# Allegro board meta_module_lay_rev1.brd (continued)
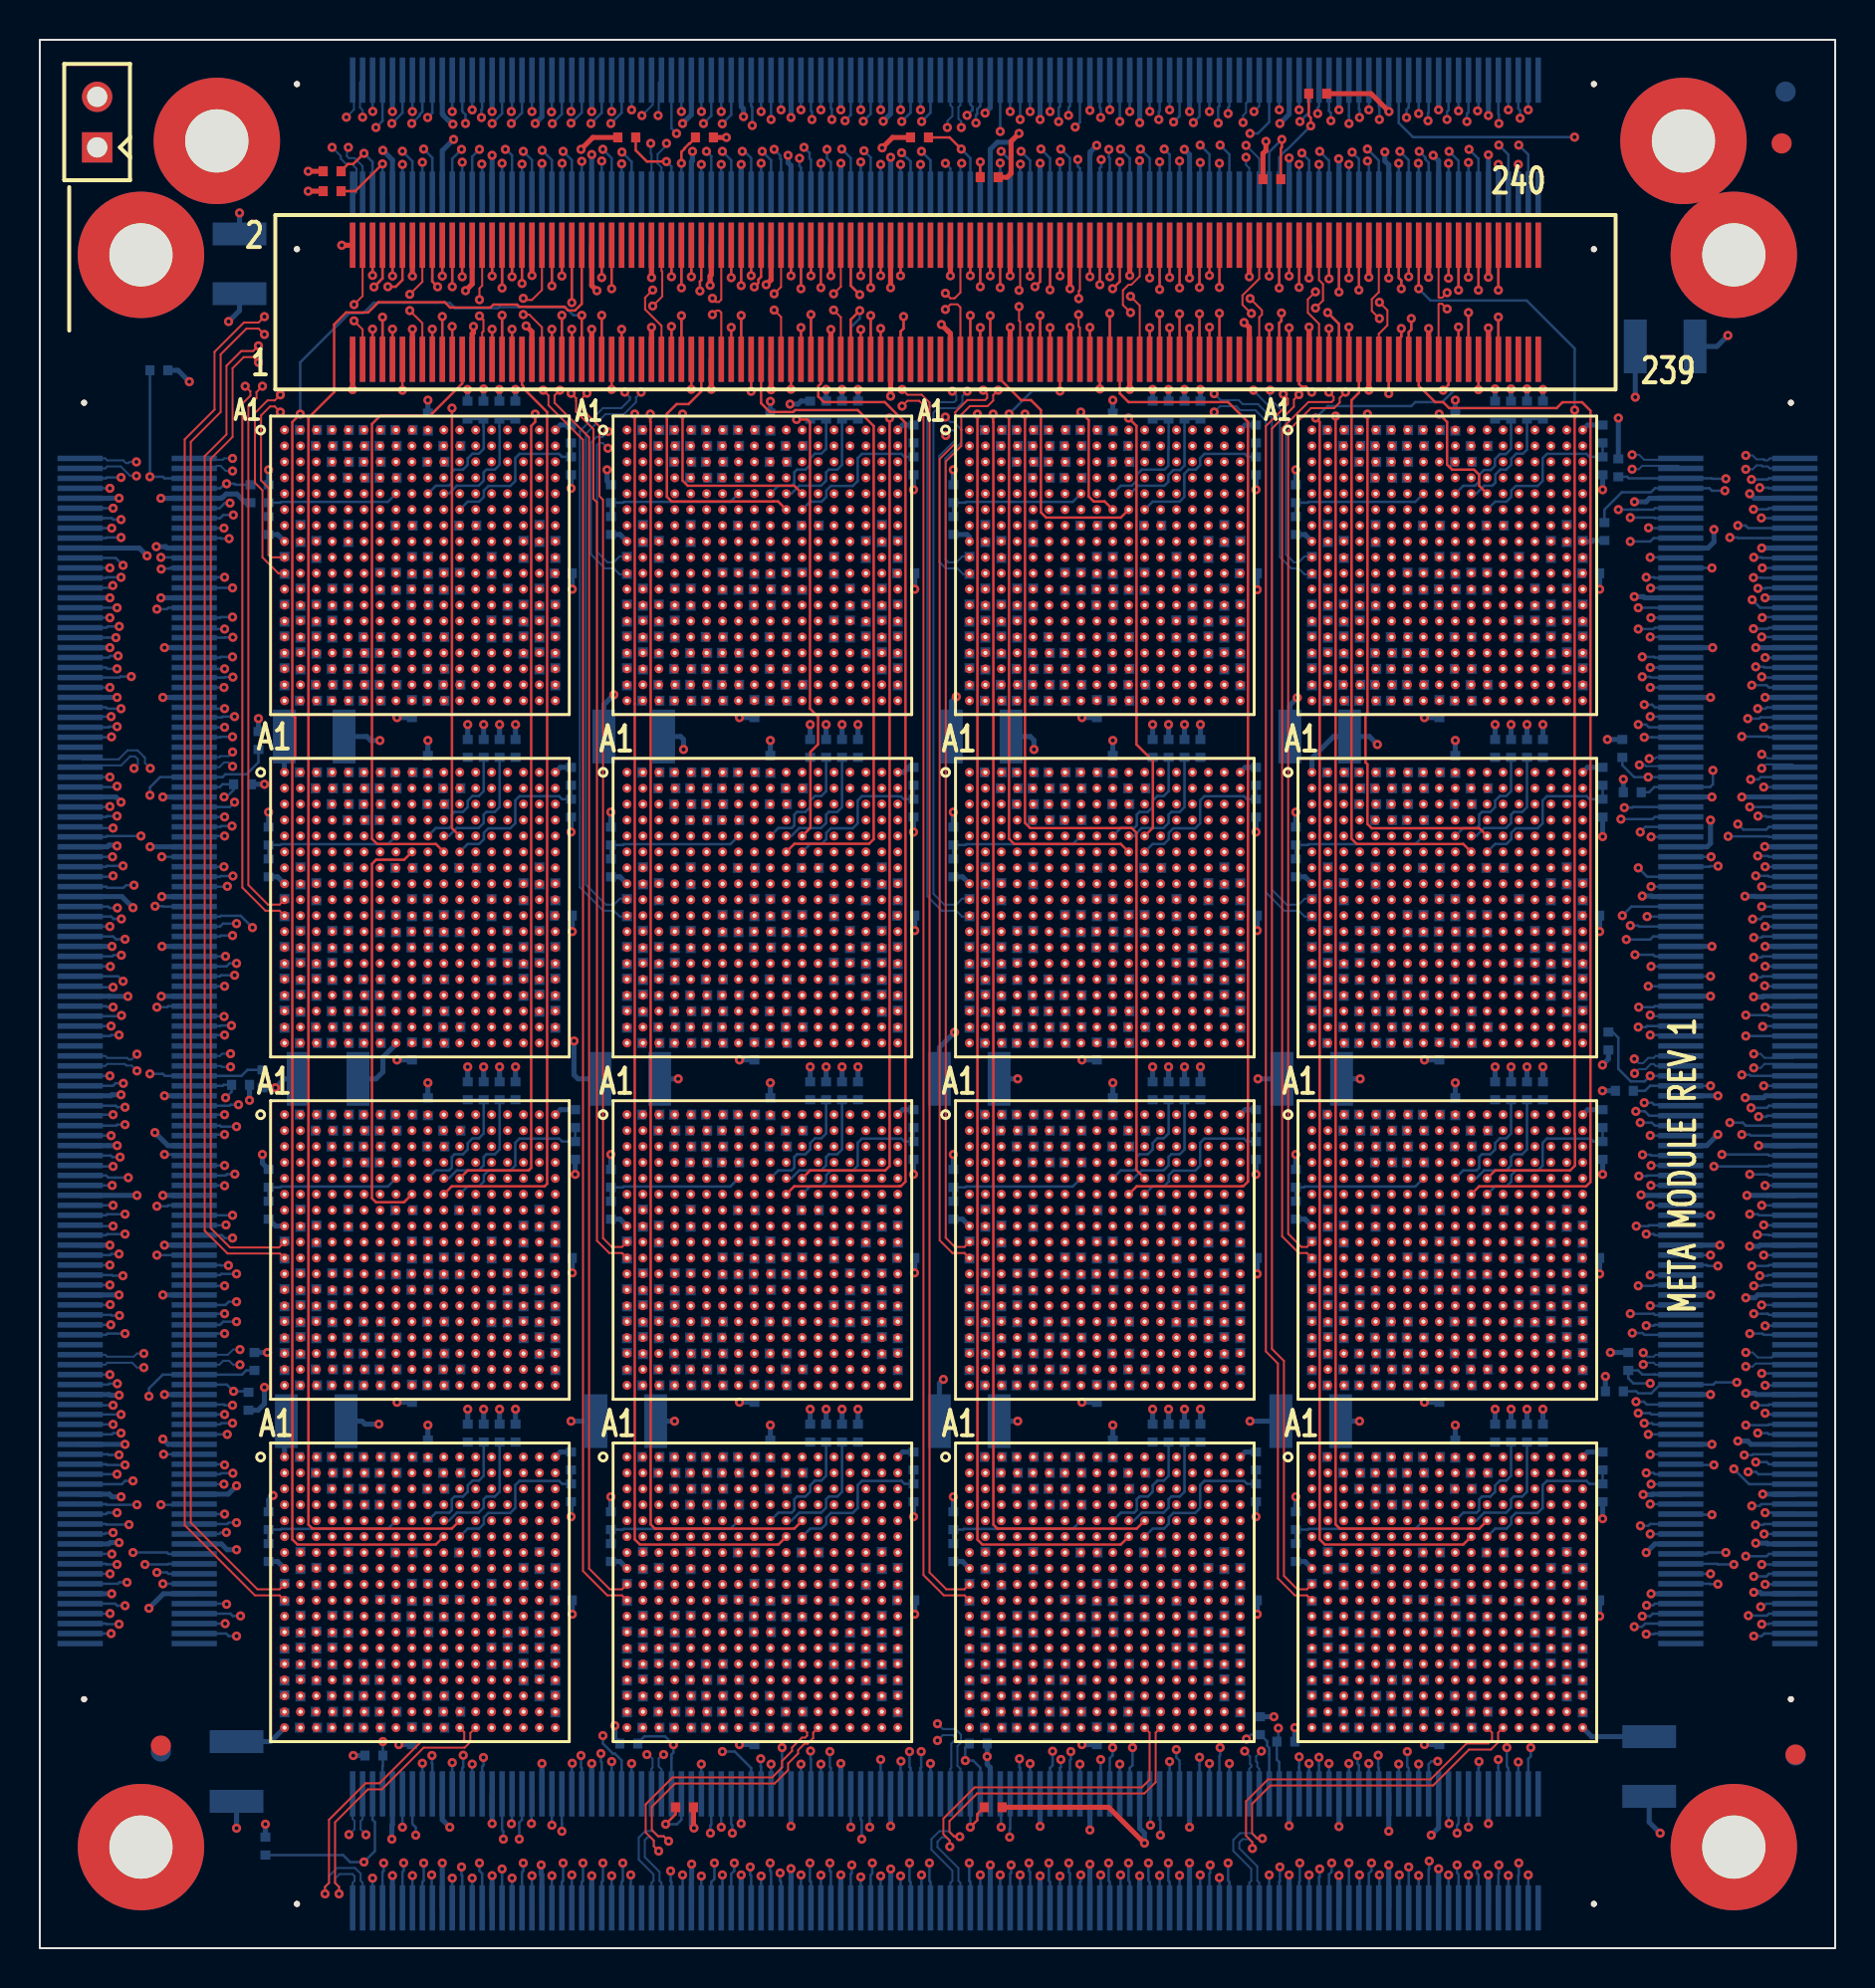
[diagram p0: board, top side]
## Nets (continued)
NS_DATA_N4_SNOW4-1: R159.2 U3.V5(SO_DATA_IN_N4) U4.D13(NO_DATA_OUT_N4)
NS_DATA_N4_SNOW4-2: R387.2 U7.V5(SO_DATA_IN_N4) U8.D13(NO_DATA_OUT_N4)
NS_DATA_N4_SNOW4-3: R615.2 U11.V5(SO_DATA_IN_N4) U12.D13(NO_DATA_OUT_N4)
NS_DATA_N4_SNOW4-4: R843.2 U15.V5(SO_DATA_IN_N4) U16.D13(NO_DATA_OUT_N4)
NS_DATA_N5: R218.2 U4.U6(SO_DATA_IN_N5) U11.C14(NO_DATA_OUT_N5)
NS_DATA_N5_SNOW4-1: R161.2 U3.U6(SO_DATA_IN_N5) U4.C14(NO_DATA_OUT_N5)
NS_DATA_N5_SNOW4-2: R389.2 U7.U6(SO_DATA_IN_N5) U8.C14(NO_DATA_OUT_N5)
NS_DATA_N5_SNOW4-3: R617.2 U11.U6(SO_DATA_IN_N5) U12.C14(NO_DATA_OUT_N5)
NS_DATA_N5_SNOW4-4: R845.2 U15.U6(SO_DATA_IN_N5) U16.C14(NO_DATA_OUT_N5)
NS_DATA_N6: R211.2 U4.T7(SO_DATA_IN_N6) U11.B15(NO_DATA_OUT_N6)
NS_DATA_N6_SNOW4-1: R154.2 U3.T7(SO_DATA_IN_N6) U4.B15(NO_DATA_OUT_N6)
NS_DATA_N6_SNOW4-2: R382.2 U7.T7(SO_DATA_IN_N6) U8.B15(NO_DATA_OUT_N6)
NS_DATA_N6_SNOW4-3: R610.2 U11.T7(SO_DATA_IN_N6) U12.B15(NO_DATA_OUT_N6)
NS_DATA_N6_SNOW4-4: R838.2 U15.T7(SO_DATA_IN_N6) U16.B15(NO_DATA_OUT_N6)
NS_DATA_N7: R213.2 U4.R8(SO_DATA_IN_N7) U11.A16(NO_DATA_OUT_N7)
NS_DATA_N7_SNOW4-1: R156.2 U3.R8(SO_DATA_IN_N7) U4.A16(NO_DATA_OUT_N7)
NS_DATA_N7_SNOW4-2: R384.2 U7.R8(SO_DATA_IN_N7) U8.A16(NO_DATA_OUT_N7)
NS_DATA_N7_SNOW4-3: R612.2 U11.R8(SO_DATA_IN_N7) U12.A16(NO_DATA_OUT_N7)
NS_DATA_N7_SNOW4-4: R840.2 U15.R8(SO_DATA_IN_N7) U16.A16(NO_DATA_OUT_N7)
NS_DATA_N8: R96.2 U2.V3(SO_DATA_IN_N0) U9.D11(NO_DATA_OUT_N0)
NS_DATA_N8_SNOW4-1: R46.2 U1.V3(SO_DATA_IN_N0) U2.D11(NO_DATA_OUT_N0)
NS_DATA_N8_SNOW4-2: R267.2 U5.V3(SO_DATA_IN_N0) U6.D11(NO_DATA_OUT_N0)
NS_DATA_N8_SNOW4-3: R495.2 U9.V3(SO_DATA_IN_N0) U10.D11(NO_DATA_OUT_N0)
NS_DATA_N8_SNOW4-4: R723.2 U13.V3(SO_DATA_IN_N0) U14.D11(NO_DATA_OUT_N0)
NS_DATA_N9: R98.2 U2.U4(SO_DATA_IN_N1) U9.C12(NO_DATA_OUT_N1)
NS_DATA_N9_SNOW4-1: R38.2 U1.U4(SO_DATA_IN_N1) U2.C12(NO_DATA_OUT_N1)
NS_DATA_N9_SNOW4-2: R269.2 U5.U4(SO_DATA_IN_N1) U6.C12(NO_DATA_OUT_N1)
NS_DATA_N9_SNOW4-3: R497.2 U9.U4(SO_DATA_IN_N1) U10.C12(NO_DATA_OUT_N1)
NS_DATA_N9_SNOW4-4: R725.2 U13.U4(SO_DATA_IN_N1) U14.C12(NO_DATA_OUT_N1)
NS_DATA_N10: R94.2 U2.T5(SO_DATA_IN_N2) U9.B13(NO_DATA_OUT_N2)
NS_DATA_N10_SNOW4-1: R40.2 U1.T5(SO_DATA_IN_N2) U2.B13(NO_DATA_OUT_N2)
NS_DATA_N10_SNOW4-2: R265.2 U5.T5(SO_DATA_IN_N2) U6.B13(NO_DATA_OUT_N2)
NS_DATA_N10_SNOW4-3: R493.2 U9.T5(SO_DATA_IN_N2) U10.B13(NO_DATA_OUT_N2)
NS_DATA_N10_SNOW4-4: R721.2 U13.T5(SO_DATA_IN_N2) U14.B13(NO_DATA_OUT_N2)
NS_DATA_N11: R100.2 U2.R6(SO_DATA_IN_N3) U9.A14(NO_DATA_OUT_N3)
NS_DATA_N11_SNOW4-1: R42.2 U1.R6(SO_DATA_IN_N3) U2.A14(NO_DATA_OUT_N3)
NS_DATA_N11_SNOW4-2: R271.2 U5.R6(SO_DATA_IN_N3) U6.A14(NO_DATA_OUT_N3)
NS_DATA_N11_SNOW4-3: R499.2 U9.R6(SO_DATA_IN_N3) U10.A14(NO_DATA_OUT_N3)
NS_DATA_N11_SNOW4-4: R727.2 U13.R6(SO_DATA_IN_N3) U14.A14(NO_DATA_OUT_N3)
NS_DATA_N12: R102.2 U2.V5(SO_DATA_IN_N4) U9.D13(NO_DATA_OUT_N4)
NS_DATA_N12_SNOW4-1: R44.2 U1.V5(SO_DATA_IN_N4) U2.D13(NO_DATA_OUT_N4)
NS_DATA_N12_SNOW4-2: R273.2 U5.V5(SO_DATA_IN_N4) U6.D13(NO_DATA_OUT_N4)
NS_DATA_N12_SNOW4-3: R501.2 U9.V5(SO_DATA_IN_N4) U10.D13(NO_DATA_OUT_N4)
NS_DATA_N12_SNOW4-4: R729.2 U13.V5(SO_DATA_IN_N4) U14.D13(NO_DATA_OUT_N4)
NS_DATA_N13: R104.2 U2.U6(SO_DATA_IN_N5) U9.C14(NO_DATA_OUT_N5)
NS_DATA_N13_SNOW4-1: R47.2 U1.U6(SO_DATA_IN_N5) U2.C14(NO_DATA_OUT_N5)
NS_DATA_N13_SNOW4-2: R275.2 U5.U6(SO_DATA_IN_N5) U6.C14(NO_DATA_OUT_N5)
NS_DATA_N13_SNOW4-3: R503.2 U9.U6(SO_DATA_IN_N5) U10.C14(NO_DATA_OUT_N5)
NS_DATA_N13_SNOW4-4: R731.2 U13.U6(SO_DATA_IN_N5) U14.C14(NO_DATA_OUT_N5)
NS_DATA_N14: R97.2 U2.T7(SO_DATA_IN_N6) U9.B15(NO_DATA_OUT_N6)
NS_DATA_N14_SNOW4-1: R37.2 U1.T7(SO_DATA_IN_N6) U2.B15(NO_DATA_OUT_N6)
NS_DATA_N14_SNOW4-2: R268.2 U5.T7(SO_DATA_IN_N6) U6.B15(NO_DATA_OUT_N6)
NS_DATA_N14_SNOW4-3: R496.2 U9.T7(SO_DATA_IN_N6) U10.B15(NO_DATA_OUT_N6)
NS_DATA_N14_SNOW4-4: R724.2 U13.T7(SO_DATA_IN_N6) U14.B15(NO_DATA_OUT_N6)
NS_DATA_N15: R99.2 U2.R8(SO_DATA_IN_N7) U9.A16(NO_DATA_OUT_N7)
NS_DATA_N15_SNOW4-1: R39.2 U1.R8(SO_DATA_IN_N7) U2.A16(NO_DATA_OUT_N7)
NS_DATA_N15_SNOW4-2: R270.2 U5.R8(SO_DATA_IN_N7) U6.A16(NO_DATA_OUT_N7)
NS_DATA_N15_SNOW4-3: R498.2 U9.R8(SO_DATA_IN_N7) U10.A16(NO_DATA_OUT_N7)
NS_DATA_N15_SNOW4-4: R726.2 U13.R8(SO_DATA_IN_N7) U14.A16(NO_DATA_OUT_N7)
NS_DATA_N16: R438.2 U8.V3(SO_DATA_IN_N0) U15.D11(NO_DATA_OUT_N0)
NS_DATA_N17: R440.2 U8.U4(SO_DATA_IN_N1) U15.C12(NO_DATA_OUT_N1)
NS_DATA_N18: R436.2 U8.T5(SO_DATA_IN_N2) U15.B13(NO_DATA_OUT_N2)
NS_DATA_N19: R442.2 U8.R6(SO_DATA_IN_N3) U15.A14(NO_DATA_OUT_N3)
NS_DATA_N20: R444.2 U8.V5(SO_DATA_IN_N4) U15.D13(NO_DATA_OUT_N4)
NS_DATA_N21: R446.2 U8.U6(SO_DATA_IN_N5) U15.C14(NO_DATA_OUT_N5)
NS_DATA_N22: R439.2 U8.T7(SO_DATA_IN_N6) U15.B15(NO_DATA_OUT_N6)
NS_DATA_N23: R441.2 U8.R8(SO_DATA_IN_N7) U15.A16(NO_DATA_OUT_N7)
NS_DATA_N24: R324.2 U6.V3(SO_DATA_IN_N0) U13.D11(NO_DATA_OUT_N0)
NS_DATA_N25: R326.2 U6.U4(SO_DATA_IN_N1) U13.C12(NO_DATA_OUT_N1)
NS_DATA_N26: R322.2 U6.T5(SO_DATA_IN_N2) U13.B13(NO_DATA_OUT_N2)
NS_DATA_N27: R328.2 U6.R6(SO_DATA_IN_N3) U13.A14(NO_DATA_OUT_N3)
NS_DATA_N28: R330.2 U6.V5(SO_DATA_IN_N4) U13.D13(NO_DATA_OUT_N4)
NS_DATA_N29: R332.2 U6.U6(SO_DATA_IN_N5) U13.C14(NO_DATA_OUT_N5)
NS_DATA_N30: R325.2 U6.T7(SO_DATA_IN_N6) U13.B15(NO_DATA_OUT_N6)
NS_DATA_N31: R327.2 U6.R8(SO_DATA_IN_N7) U13.A16(NO_DATA_OUT_N7)
NS_DATA_P0: R210.1 U4.V2(SO_DATA_IN_P0) U11.D12(NO_DATA_OUT_P0)
NS_DATA_P0_SNOW4-1: R153.1 U3.V2(SO_DATA_IN_P0) U4.D12(NO_DATA_OUT_P0)
NS_DATA_P0_SNOW4-2: R381.1 U7.V2(SO_DATA_IN_P0) U8.D12(NO_DATA_OUT_P0)
NS_DATA_P0_SNOW4-3: R609.1 U11.V2(SO_DATA_IN_P0) U12.D12(NO_DATA_OUT_P0)
NS_DATA_P0_SNOW4-4: R837.1 U15.V2(SO_DATA_IN_P0) U16.D12(NO_DATA_OUT_P0)
NS_DATA_P1: R212.1 U4.U3(SO_DATA_IN_P1) U11.C13(NO_DATA_OUT_P1)
NS_DATA_P1_SNOW4-1: R155.1 U3.U3(SO_DATA_IN_P1) U4.C13(NO_DATA_OUT_P1)
NS_DATA_P1_SNOW4-2: R383.1 U7.U3(SO_DATA_IN_P1) U8.C13(NO_DATA_OUT_P1)
NS_DATA_P1_SNOW4-3: R611.1 U11.U3(SO_DATA_IN_P1) U12.C13(NO_DATA_OUT_P1)
NS_DATA_P1_SNOW4-4: R839.1 U15.U3(SO_DATA_IN_P1) U16.C13(NO_DATA_OUT_P1)
NS_DATA_P2: R208.1 U4.T4(SO_DATA_IN_P2) U11.B14(NO_DATA_OUT_P2)
NS_DATA_P2_SNOW4-1: R151.1 U3.T4(SO_DATA_IN_P2) U4.B14(NO_DATA_OUT_P2)
NS_DATA_P2_SNOW4-2: R379.1 U7.T4(SO_DATA_IN_P2) U8.B14(NO_DATA_OUT_P2)
NS_DATA_P2_SNOW4-3: R607.1 U11.T4(SO_DATA_IN_P2) U12.B14(NO_DATA_OUT_P2)
NS_DATA_P2_SNOW4-4: R835.1 U15.T4(SO_DATA_IN_P2) U16.B14(NO_DATA_OUT_P2)
NS_DATA_P3: R214.1 U4.R5(SO_DATA_IN_P3) U11.A15(NO_DATA_OUT_P3)
NS_DATA_P3_SNOW4-1: R157.1 U3.R5(SO_DATA_IN_P3) U4.A15(NO_DATA_OUT_P3)
NS_DATA_P3_SNOW4-2: R385.1 U7.R5(SO_DATA_IN_P3) U8.A15(NO_DATA_OUT_P3)
NS_DATA_P3_SNOW4-3: R613.1 U11.R5(SO_DATA_IN_P3) U12.A15(NO_DATA_OUT_P3)
NS_DATA_P3_SNOW4-4: R841.1 U15.R5(SO_DATA_IN_P3) U16.A15(NO_DATA_OUT_P3)
NS_DATA_P4: R216.1 U4.V4(SO_DATA_IN_P4) U11.D14(NO_DATA_OUT_P4)
NS_DATA_P4_SNOW4-1: R159.1 U3.V4(SO_DATA_IN_P4) U4.D14(NO_DATA_OUT_P4)
NS_DATA_P4_SNOW4-2: R387.1 U7.V4(SO_DATA_IN_P4) U8.D14(NO_DATA_OUT_P4)
NS_DATA_P4_SNOW4-3: R615.1 U11.V4(SO_DATA_IN_P4) U12.D14(NO_DATA_OUT_P4)
NS_DATA_P4_SNOW4-4: R843.1 U15.V4(SO_DATA_IN_P4) U16.D14(NO_DATA_OUT_P4)
NS_DATA_P5: R218.1 U4.U5(SO_DATA_IN_P5) U11.C15(NO_DATA_OUT_P5)
NS_DATA_P5_SNOW4-1: R161.1 U3.U5(SO_DATA_IN_P5) U4.C15(NO_DATA_OUT_P5)
NS_DATA_P5_SNOW4-2: R389.1 U7.U5(SO_DATA_IN_P5) U8.C15(NO_DATA_OUT_P5)
NS_DATA_P5_SNOW4-3: R617.1 U11.U5(SO_DATA_IN_P5) U12.C15(NO_DATA_OUT_P5)
NS_DATA_P5_SNOW4-4: R845.1 U15.U5(SO_DATA_IN_P5) U16.C15(NO_DATA_OUT_P5)
NS_DATA_P6: R211.1 U4.T6(SO_DATA_IN_P6) U11.B16(NO_DATA_OUT_P6)
NS_DATA_P6_SNOW4-1: R154.1 U3.T6(SO_DATA_IN_P6) U4.B16(NO_DATA_OUT_P6)
NS_DATA_P6_SNOW4-2: R382.1 U7.T6(SO_DATA_IN_P6) U8.B16(NO_DATA_OUT_P6)
NS_DATA_P6_SNOW4-3: R610.1 U11.T6(SO_DATA_IN_P6) U12.B16(NO_DATA_OUT_P6)
NS_DATA_P6_SNOW4-4: R838.1 U15.T6(SO_DATA_IN_P6) U16.B16(NO_DATA_OUT_P6)
NS_DATA_P7: R213.1 U4.R7(SO_DATA_IN_P7) U11.A17(NO_DATA_OUT_P7)
NS_DATA_P7_SNOW4-1: R156.1 U3.R7(SO_DATA_IN_P7) U4.A17(NO_DATA_OUT_P7)
NS_DATA_P7_SNOW4-2: R384.1 U7.R7(SO_DATA_IN_P7) U8.A17(NO_DATA_OUT_P7)
NS_DATA_P7_SNOW4-3: R612.1 U11.R7(SO_DATA_IN_P7) U12.A17(NO_DATA_OUT_P7)
NS_DATA_P7_SNOW4-4: R840.1 U15.R7(SO_DATA_IN_P7) U16.A17(NO_DATA_OUT_P7)
NS_DATA_P8: R96.1 U2.V2(SO_DATA_IN_P0) U9.D12(NO_DATA_OUT_P0)
NS_DATA_P8_SNOW4-1: R46.1 U1.V2(SO_DATA_IN_P0) U2.D12(NO_DATA_OUT_P0)
NS_DATA_P8_SNOW4-2: R267.1 U5.V2(SO_DATA_IN_P0) U6.D12(NO_DATA_OUT_P0)
NS_DATA_P8_SNOW4-3: R495.1 U9.V2(SO_DATA_IN_P0) U10.D12(NO_DATA_OUT_P0)
NS_DATA_P8_SNOW4-4: R723.1 U13.V2(SO_DATA_IN_P0) U14.D12(NO_DATA_OUT_P0)
NS_DATA_P9: R98.1 U2.U3(SO_DATA_IN_P1) U9.C13(NO_DATA_OUT_P1)
NS_DATA_P9_SNOW4-1: R38.1 U1.U3(SO_DATA_IN_P1) U2.C13(NO_DATA_OUT_P1)
NS_DATA_P9_SNOW4-2: R269.1 U5.U3(SO_DATA_IN_P1) U6.C13(NO_DATA_OUT_P1)
NS_DATA_P9_SNOW4-3: R497.1 U9.U3(SO_DATA_IN_P1) U10.C13(NO_DATA_OUT_P1)
NS_DATA_P9_SNOW4-4: R725.1 U13.U3(SO_DATA_IN_P1) U14.C13(NO_DATA_OUT_P1)
NS_DATA_P10: R94.1 U2.T4(SO_DATA_IN_P2) U9.B14(NO_DATA_OUT_P2)
NS_DATA_P10_SNOW4-1: R40.1 U1.T4(SO_DATA_IN_P2) U2.B14(NO_DATA_OUT_P2)
NS_DATA_P10_SNOW4-2: R265.1 U5.T4(SO_DATA_IN_P2) U6.B14(NO_DATA_OUT_P2)
NS_DATA_P10_SNOW4-3: R493.1 U9.T4(SO_DATA_IN_P2) U10.B14(NO_DATA_OUT_P2)
NS_DATA_P10_SNOW4-4: R721.1 U13.T4(SO_DATA_IN_P2) U14.B14(NO_DATA_OUT_P2)
NS_DATA_P11: R100.1 U2.R5(SO_DATA_IN_P3) U9.A15(NO_DATA_OUT_P3)
NS_DATA_P11_SNOW4-1: R42.1 U1.R5(SO_DATA_IN_P3) U2.A15(NO_DATA_OUT_P3)
NS_DATA_P11_SNOW4-2: R271.1 U5.R5(SO_DATA_IN_P3) U6.A15(NO_DATA_OUT_P3)
NS_DATA_P11_SNOW4-3: R499.1 U9.R5(SO_DATA_IN_P3) U10.A15(NO_DATA_OUT_P3)
NS_DATA_P11_SNOW4-4: R727.1 U13.R5(SO_DATA_IN_P3) U14.A15(NO_DATA_OUT_P3)
NS_DATA_P12: R102.1 U2.V4(SO_DATA_IN_P4) U9.D14(NO_DATA_OUT_P4)
NS_DATA_P12_SNOW4-1: R44.1 U1.V4(SO_DATA_IN_P4) U2.D14(NO_DATA_OUT_P4)
NS_DATA_P12_SNOW4-2: R273.1 U5.V4(SO_DATA_IN_P4) U6.D14(NO_DATA_OUT_P4)
NS_DATA_P12_SNOW4-3: R501.1 U9.V4(SO_DATA_IN_P4) U10.D14(NO_DATA_OUT_P4)
NS_DATA_P12_SNOW4-4: R729.1 U13.V4(SO_DATA_IN_P4) U14.D14(NO_DATA_OUT_P4)
NS_DATA_P13: R104.1 U2.U5(SO_DATA_IN_P5) U9.C15(NO_DATA_OUT_P5)
NS_DATA_P13_SNOW4-1: R47.1 U1.U5(SO_DATA_IN_P5) U2.C15(NO_DATA_OUT_P5)
NS_DATA_P13_SNOW4-2: R275.1 U5.U5(SO_DATA_IN_P5) U6.C15(NO_DATA_OUT_P5)
NS_DATA_P13_SNOW4-3: R503.1 U9.U5(SO_DATA_IN_P5) U10.C15(NO_DATA_OUT_P5)
NS_DATA_P13_SNOW4-4: R731.1 U13.U5(SO_DATA_IN_P5) U14.C15(NO_DATA_OUT_P5)
NS_DATA_P14: R97.1 U2.T6(SO_DATA_IN_P6) U9.B16(NO_DATA_OUT_P6)
NS_DATA_P14_SNOW4-1: R37.1 U1.T6(SO_DATA_IN_P6) U2.B16(NO_DATA_OUT_P6)
NS_DATA_P14_SNOW4-2: R268.1 U5.T6(SO_DATA_IN_P6) U6.B16(NO_DATA_OUT_P6)
NS_DATA_P14_SNOW4-3: R496.1 U9.T6(SO_DATA_IN_P6) U10.B16(NO_DATA_OUT_P6)
NS_DATA_P14_SNOW4-4: R724.1 U13.T6(SO_DATA_IN_P6) U14.B16(NO_DATA_OUT_P6)
NS_DATA_P15: R99.1 U2.R7(SO_DATA_IN_P7) U9.A17(NO_DATA_OUT_P7)
NS_DATA_P15_SNOW4-1: R39.1 U1.R7(SO_DATA_IN_P7) U2.A17(NO_DATA_OUT_P7)
NS_DATA_P15_SNOW4-2: R270.1 U5.R7(SO_DATA_IN_P7) U6.A17(NO_DATA_OUT_P7)
NS_DATA_P15_SNOW4-3: R498.1 U9.R7(SO_DATA_IN_P7) U10.A17(NO_DATA_OUT_P7)
NS_DATA_P15_SNOW4-4: R726.1 U13.R7(SO_DATA_IN_P7) U14.A17(NO_DATA_OUT_P7)
NS_DATA_P16: R438.1 U8.V2(SO_DATA_IN_P0) U15.D12(NO_DATA_OUT_P0)
NS_DATA_P17: R440.1 U8.U3(SO_DATA_IN_P1) U15.C13(NO_DATA_OUT_P1)
NS_DATA_P18: R436.1 U8.T4(SO_DATA_IN_P2) U15.B14(NO_DATA_OUT_P2)
NS_DATA_P19: R442.1 U8.R5(SO_DATA_IN_P3) U15.A15(NO_DATA_OUT_P3)
NS_DATA_P20: R444.1 U8.V4(SO_DATA_IN_P4) U15.D14(NO_DATA_OUT_P4)
NS_DATA_P21: R446.1 U8.U5(SO_DATA_IN_P5) U15.C15(NO_DATA_OUT_P5)
NS_DATA_P22: R439.1 U8.T6(SO_DATA_IN_P6) U15.B16(NO_DATA_OUT_P6)
NS_DATA_P23: R441.1 U8.R7(SO_DATA_IN_P7) U15.A17(NO_DATA_OUT_P7)
NS_DATA_P24: R324.1 U6.V2(SO_DATA_IN_P0) U13.D12(NO_DATA_OUT_P0)
NS_DATA_P25: R326.1 U6.U3(SO_DATA_IN_P1) U13.C13(NO_DATA_OUT_P1)
NS_DATA_P26: R322.1 U6.T4(SO_DATA_IN_P2) U13.B14(NO_DATA_OUT_P2)
NS_DATA_P27: R328.1 U6.R5(SO_DATA_IN_P3) U13.A15(NO_DATA_OUT_P3)
NS_DATA_P28: R330.1 U6.V4(SO_DATA_IN_P4) U13.D14(NO_DATA_OUT_P4)
NS_DATA_P29: R332.1 U6.U5(SO_DATA_IN_P5) U13.C15(NO_DATA_OUT_P5)
NS_DATA_P30: R325.1 U6.T6(SO_DATA_IN_P6) U13.B16(NO_DATA_OUT_P6)
NS_DATA_P31: R327.1 U6.R7(SO_DATA_IN_P7) U13.A17(NO_DATA_OUT_P7)
NS_FRAME_N0: R215.2 U4.U8(SO_FRAME_IN_N) U11.D9(NO_FRAME_OUT_N)
NS_FRAME_N0_SNOW4-1: R158.2 U3.U8(SO_FRAME_IN_N) U4.D9(NO_FRAME_OUT_N)
NS_FRAME_N0_SNOW4-2: R386.2 U7.U8(SO_FRAME_IN_N) U8.D9(NO_FRAME_OUT_N)
NS_FRAME_N0_SNOW4-3: R614.2 U11.U8(SO_FRAME_IN_N) U12.D9(NO_FRAME_OUT_N)
NS_FRAME_N0_SNOW4-4: R842.2 U15.U8(SO_FRAME_IN_N) U16.D9(NO_FRAME_OUT_N)
NS_FRAME_N1: R101.2 U2.U8(SO_FRAME_IN_N) U9.D9(NO_FRAME_OUT_N)
NS_FRAME_N1_SNOW4-1: R43.2 U1.U8(SO_FRAME_IN_N) U2.D9(NO_FRAME_OUT_N)
NS_FRAME_N1_SNOW4-2: R272.2 U5.U8(SO_FRAME_IN_N) U6.D9(NO_FRAME_OUT_N)
NS_FRAME_N1_SNOW4-3: R500.2 U9.U8(SO_FRAME_IN_N) U10.D9(NO_FRAME_OUT_N)
NS_FRAME_N1_SNOW4-4: R728.2 U13.U8(SO_FRAME_IN_N) U14.D9(NO_FRAME_OUT_N)
NS_FRAME_N2: R443.2 U8.U8(SO_FRAME_IN_N) U15.D9(NO_FRAME_OUT_N)
NS_FRAME_N3: R329.2 U6.U8(SO_FRAME_IN_N) U13.D9(NO_FRAME_OUT_N)
NS_FRAME_P0: R215.1 U4.U7(SO_FRAME_IN_P) U11.D10(NO_FRAME_OUT_P)
NS_FRAME_P0_SNOW4-1: R158.1 U3.U7(SO_FRAME_IN_P) U4.D10(NO_FRAME_OUT_P)
NS_FRAME_P0_SNOW4-2: R386.1 U7.U7(SO_FRAME_IN_P) U8.D10(NO_FRAME_OUT_P)
NS_FRAME_P0_SNOW4-3: R614.1 U11.U7(SO_FRAME_IN_P) U12.D10(NO_FRAME_OUT_P)
NS_FRAME_P0_SNOW4-4: R842.1 U15.U7(SO_FRAME_IN_P) U16.D10(NO_FRAME_OUT_P)
NS_FRAME_P1: R101.1 U2.U7(SO_FRAME_IN_P) U9.D10(NO_FRAME_OUT_P)
NS_FRAME_P1_SNOW4-1: R43.1 U1.U7(SO_FRAME_IN_P) U2.D10(NO_FRAME_OUT_P)
NS_FRAME_P1_SNOW4-2: R272.1 U5.U7(SO_FRAME_IN_P) U6.D10(NO_FRAME_OUT_P)
NS_FRAME_P1_SNOW4-3: R500.1 U9.U7(SO_FRAME_IN_P) U10.D10(NO_FRAME_OUT_P)
NS_FRAME_P1_SNOW4-4: R728.1 U13.U7(SO_FRAME_IN_P) U14.D10(NO_FRAME_OUT_P)
NS_FRAME_P2: R443.1 U8.U7(SO_FRAME_IN_P) U15.D10(NO_FRAME_OUT_P)
NS_FRAME_P3: R329.1 U6.U7(SO_FRAME_IN_P) U13.D10(NO_FRAME_OUT_P)
NS_LCLK_N0: R209.2 U4.V7(SO_LCLK_IN_N) U11.A12(NO_LCLK_OUT_N)
NS_LCLK_N0_SNOW4-1: R152.2 U3.V7(SO_LCLK_IN_N) U4.A12(NO_LCLK_OUT_N)
NS_LCLK_N0_SNOW4-2: R380.2 U7.V7(SO_LCLK_IN_N) U8.A12(NO_LCLK_OUT_N)
NS_LCLK_N0_SNOW4-3: R608.2 U11.V7(SO_LCLK_IN_N) U12.A12(NO_LCLK_OUT_N)
NS_LCLK_N0_SNOW4-4: R836.2 U15.V7(SO_LCLK_IN_N) U16.A12(NO_LCLK_OUT_N)
NS_LCLK_N1: R95.2 U2.V7(SO_LCLK_IN_N) U9.A12(NO_LCLK_OUT_N)
NS_LCLK_N1_SNOW4-1: R41.2 U1.V7(SO_LCLK_IN_N) U2.A12(NO_LCLK_OUT_N)
NS_LCLK_N1_SNOW4-2: R266.2 U5.V7(SO_LCLK_IN_N) U6.A12(NO_LCLK_OUT_N)
NS_LCLK_N1_SNOW4-3: R494.2 U9.V7(SO_LCLK_IN_N) U10.A12(NO_LCLK_OUT_N)
NS_LCLK_N1_SNOW4-4: R722.2 U13.V7(SO_LCLK_IN_N) U14.A12(NO_LCLK_OUT_N)
NS_LCLK_N2: R437.2 U8.V7(SO_LCLK_IN_N) U15.A12(NO_LCLK_OUT_N)
NS_LCLK_N3: R323.2 U6.V7(SO_LCLK_IN_N) U13.A12(NO_LCLK_OUT_N)
NS_LCLK_P0: R209.1 U4.V6(SO_LCLK_IN_P) U11.A13(NO_LCLK_OUT_P)
NS_LCLK_P0_SNOW4-1: R152.1 U3.V6(SO_LCLK_IN_P) U4.A13(NO_LCLK_OUT_P)
NS_LCLK_P0_SNOW4-2: R380.1 U7.V6(SO_LCLK_IN_P) U8.A13(NO_LCLK_OUT_P)
NS_LCLK_P0_SNOW4-3: R608.1 U11.V6(SO_LCLK_IN_P) U12.A13(NO_LCLK_OUT_P)
NS_LCLK_P0_SNOW4-4: R836.1 U15.V6(SO_LCLK_IN_P) U16.A13(NO_LCLK_OUT_P)
NS_LCLK_P1: R95.1 U2.V6(SO_LCLK_IN_P) U9.A13(NO_LCLK_OUT_P)
NS_LCLK_P1_SNOW4-1: R41.1 U1.V6(SO_LCLK_IN_P) U2.A13(NO_LCLK_OUT_P)
NS_LCLK_P1_SNOW4-2: R266.1 U5.V6(SO_LCLK_IN_P) U6.A13(NO_LCLK_OUT_P)
NS_LCLK_P1_SNOW4-3: R494.1 U9.V6(SO_LCLK_IN_P) U10.A13(NO_LCLK_OUT_P)
NS_LCLK_P1_SNOW4-4: R722.1 U13.V6(SO_LCLK_IN_P) U14.A13(NO_LCLK_OUT_P)
NS_LCLK_P2: R437.1 U8.V6(SO_LCLK_IN_P) U15.A13(NO_LCLK_OUT_P)
NS_LCLK_P3: R323.1 U6.V6(SO_LCLK_IN_P) U13.A13(NO_LCLK_OUT_P)
NS_WAIT_RD_N0: R217.2 U4.U12(SO_WAIT_RD_IN_N) U11.B9(NO_WAIT_RD_OUT_N)
NS_WAIT_RD_N0_SNOW4-1: R160.2 U3.U12(SO_WAIT_RD_IN_N) U4.B9(NO_WAIT_RD_OUT_N)
NS_WAIT_RD_N0_SNOW4-2: R388.2 U7.U12(SO_WAIT_RD_IN_N) U8.B9(NO_WAIT_RD_OUT_N)
NS_WAIT_RD_N0_SNOW4-3: R616.2 U11.U12(SO_WAIT_RD_IN_N) U12.B9(NO_WAIT_RD_OUT_N)
NS_WAIT_RD_N0_SNOW4-4: R844.2 U15.U12(SO_WAIT_RD_IN_N) U16.B9(NO_WAIT_RD_OUT_N)
NS_WAIT_RD_N1: R103.2 U2.U12(SO_WAIT_RD_IN_N) U9.B9(NO_WAIT_RD_OUT_N)
NS_WAIT_RD_N1_SNOW4-1: R45.2 U1.U12(SO_WAIT_RD_IN_N) U2.B9(NO_WAIT_RD_OUT_N)
NS_WAIT_RD_N1_SNOW4-2: R274.2 U5.U12(SO_WAIT_RD_IN_N) U6.B9(NO_WAIT_RD_OUT_N)
NS_WAIT_RD_N1_SNOW4-3: R502.2 U9.U12(SO_WAIT_RD_IN_N) U10.B9(NO_WAIT_RD_OUT_N)
NS_WAIT_RD_N1_SNOW4-4: R730.2 U13.U12(SO_WAIT_RD_IN_N) U14.B9(NO_WAIT_RD_OUT_N)
NS_WAIT_RD_N2: R445.2 U8.U12(SO_WAIT_RD_IN_N) U15.B9(NO_WAIT_RD_OUT_N)
NS_WAIT_RD_N3: R331.2 U6.U12(SO_WAIT_RD_IN_N) U13.B9(NO_WAIT_RD_OUT_N)
NS_WAIT_RD_P0: R217.1 U4.U11(SO_WAIT_RD_IN_P) U11.B10(NO_WAIT_RD_OUT_P)
NS_WAIT_RD_P0_SNOW4-1: R160.1 U3.U11(SO_WAIT_RD_IN_P) U4.B10(NO_WAIT_RD_OUT_P)
NS_WAIT_RD_P0_SNOW4-2: R388.1 U7.U11(SO_WAIT_RD_IN_P) U8.B10(NO_WAIT_RD_OUT_P)
NS_WAIT_RD_P0_SNOW4-3: R616.1 U11.U11(SO_WAIT_RD_IN_P) U12.B10(NO_WAIT_RD_OUT_P)
NS_WAIT_RD_P0_SNOW4-4: R844.1 U15.U11(SO_WAIT_RD_IN_P) U16.B10(NO_WAIT_RD_OUT_P)
NS_WAIT_RD_P1: R103.1 U2.U11(SO_WAIT_RD_IN_P) U9.B10(NO_WAIT_RD_OUT_P)
NS_WAIT_RD_P1_SNOW4-1: R45.1 U1.U11(SO_WAIT_RD_IN_P) U2.B10(NO_WAIT_RD_OUT_P)
NS_WAIT_RD_P1_SNOW4-2: R274.1 U5.U11(SO_WAIT_RD_IN_P) U6.B10(NO_WAIT_RD_OUT_P)
NS_WAIT_RD_P1_SNOW4-3: R502.1 U9.U11(SO_WAIT_RD_IN_P) U10.B10(NO_WAIT_RD_OUT_P)
NS_WAIT_RD_P1_SNOW4-4: R730.1 U13.U11(SO_WAIT_RD_IN_P) U14.B10(NO_WAIT_RD_OUT_P)
NS_WAIT_RD_P2: R445.1 U8.U11(SO_WAIT_RD_IN_P) U15.B10(NO_WAIT_RD_OUT_P)
NS_WAIT_RD_P3: R331.1 U6.U11(SO_WAIT_RD_IN_P) U13.B10(NO_WAIT_RD_OUT_P)
NS_WAIT_WR_N0: R219.1 U4.T10(SO_WAIT_WR_IN_P) U11.C9(NO_WAIT_WR_OUT_P)
NS_WAIT_WR_N0_SNOW4-1: R162.2 U3.T11(SO_WAIT_WR_IN_N) U4.C8(NO_WAIT_WR_OUT_N)
NS_WAIT_WR_N0_SNOW4-2: R390.2 U7.T11(SO_WAIT_WR_IN_N) U8.C8(NO_WAIT_WR_OUT_N)
NS_WAIT_WR_N0_SNOW4-3: R618.2 U11.T11(SO_WAIT_WR_IN_N) U12.C8(NO_WAIT_WR_OUT_N)
NS_WAIT_WR_N0_SNOW4-4: R846.2 U15.T11(SO_WAIT_WR_IN_N) U16.C8(NO_WAIT_WR_OUT_N)
NS_WAIT_WR_N1: R105.1 U2.T10(SO_WAIT_WR_IN_P) U9.C9(NO_WAIT_WR_OUT_P)
NS_WAIT_WR_N1_SNOW4-1: R48.2 U1.T11(SO_WAIT_WR_IN_N) U2.C8(NO_WAIT_WR_OUT_N)
NS_WAIT_WR_N1_SNOW4-2: R276.2 U5.T11(SO_WAIT_WR_IN_N) U6.C8(NO_WAIT_WR_OUT_N)
NS_WAIT_WR_N1_SNOW4-3: R504.2 U9.T11(SO_WAIT_WR_IN_N) U10.C8(NO_WAIT_WR_OUT_N)
NS_WAIT_WR_N1_SNOW4-4: R732.2 U13.T11(SO_WAIT_WR_IN_N) U14.C8(NO_WAIT_WR_OUT_N)
NS_WAIT_WR_N2: R447.2 U8.T11(SO_WAIT_WR_IN_N) U15.C8(NO_WAIT_WR_OUT_N)
NS_WAIT_WR_N3: R333.2 U6.T11(SO_WAIT_WR_IN_N) U13.C8(NO_WAIT_WR_OUT_N)
NS_WAIT_WR_P0: R219.2 U4.T11(SO_WAIT_WR_IN_N) U11.C8(NO_WAIT_WR_OUT_N)
NS_WAIT_WR_P0_SNOW4-1: R162.1 U3.T10(SO_WAIT_WR_IN_P) U4.C9(NO_WAIT_WR_OUT_P)
NS_WAIT_WR_P0_SNOW4-2: R390.1 U7.T10(SO_WAIT_WR_IN_P) U8.C9(NO_WAIT_WR_OUT_P)
NS_WAIT_WR_P0_SNOW4-3: R618.1 U11.T10(SO_WAIT_WR_IN_P) U12.C9(NO_WAIT_WR_OUT_P)
NS_WAIT_WR_P0_SNOW4-4: R846.1 U15.T10(SO_WAIT_WR_IN_P) U16.C9(NO_WAIT_WR_OUT_P)
NS_WAIT_WR_P1: R105.2 U2.T11(SO_WAIT_WR_IN_N) U9.C8(NO_WAIT_WR_OUT_N)
NS_WAIT_WR_P1_SNOW4-1: R48.1 U1.T10(SO_WAIT_WR_IN_P) U2.C9(NO_WAIT_WR_OUT_P)
NS_WAIT_WR_P1_SNOW4-2: R276.1 U5.T10(SO_WAIT_WR_IN_P) U6.C9(NO_WAIT_WR_OUT_P)
NS_WAIT_WR_P1_SNOW4-3: R504.1 U9.T10(SO_WAIT_WR_IN_P) U10.C9(NO_WAIT_WR_OUT_P)
NS_WAIT_WR_P1_SNOW4-4: R732.1 U13.T10(SO_WAIT_WR_IN_P) U14.C9(NO_WAIT_WR_OUT_P)
NS_WAIT_WR_P2: R447.1 U8.T10(SO_WAIT_WR_IN_P) U15.C9(NO_WAIT_WR_OUT_P)
NS_WAIT_WR_P3: R333.1 U6.T10(SO_WAIT_WR_IN_P) U13.C9(NO_WAIT_WR_OUT_P)
PC0: J16.5 J18.235(55)
PC1: J16.6 J18.236(56)
PC2: J16.7 J18.233(53)
PC3: J16.8 J18.234(54)
PC4: J16.9 J18.231(51)
PC5: J16.10 J18.232(52)
PC6: J16.17 J18.223(43)
PC7: J16.18 J18.224(44)
PC8: J16.19 J18.221(41)
PC9: J16.20 J18.222(42)
PC10: J16.21 J18.219(39)
PC11: J16.22 J18.220(40)
PC12: J16.29 J18.211(31)
PC13: J16.30 J18.212(32)
PC14: J16.31 J18.209(29)
PC15: J16.32 J18.210(30)
PC16: J16.33 J18.207(27)
PC17: J16.34 J18.208(28)
PC18: J16.41 J18.199(19)
PC19: J16.42 J18.200(20)
PC20: J16.43 J18.197(17)
PC21: J16.44 J18.198(18)
PC22: J16.45 J18.195(15)
PC23: J16.46 J18.196(16)
PC24: J16.51 J18.189(9)
PC25: J16.52 J18.190(10)
PC26: J16.65(5) J18.175(55)
PC27: J16.66(6) J18.176(56)
PC28: J16.67(7) J18.173(53)
PC29: J16.68(8) J18.174(54)
PC30: J16.69(9) J18.171(51)
PC31: J16.70(10) J18.172(52)
PC32: J16.77(17) J18.163(43)
PC33: J16.78(18) J18.164(44)
PC34: J16.79(19) J18.161(41)
PC35: J16.80(20) J18.162(42)
PC36: J16.81(21) J18.159(39)
PC37: J16.82(22) J18.160(40)
PC38: J16.89(29) J18.151(31)
PC39: J16.90(30) J18.152(32)
PC40: J16.91(31) J18.149(29)
PC41: J16.92(32) J18.150(30)
PC42: J16.93(33) J18.147(27)
PC43: J16.94(34) J18.148(28)
PC44: J16.101(41) J18.139(19)
PC45: J16.102(42) J18.140(20)
PC46: J16.103(43) J18.137(17)
PC47: J16.104(44) J18.138(18)
PC48: J16.105(45) J18.135(15)
PC49: J16.106(46) J18.136(16)
PC50: J16.111(51) J18.129(9)
PC51: J16.112(52) J18.130(10)
PC52: J16.125(5) J18.115(55)
PC53: J16.126(6) J18.116(56)
PC54: J16.127(7) J18.113(53)
PC55: J16.128(8) J18.114(54)
PC56: J16.129(9) J18.111(51)
PC57: J16.130(10) J18.112(52)
PC58: J16.137(17) J18.103(43)
PC59: J16.138(18) J18.104(44)
PC60: J16.139(19) J18.101(41)
PC61: J16.140(20) J18.102(42)
PC62: J16.141(21) J18.99(39)
PC63: J16.142(22) J18.100(40)
PC64: J16.149(29) J18.91(31)
PC65: J16.150(30) J18.92(32)
PC66: J16.151(31) J18.89(29)
PC67: J16.152(32) J18.90(30)
PC68: J16.153(33) J18.87(27)
PC69: J16.154(34) J18.88(28)
PC70: J16.161(41) J18.79(19)
PC71: J16.162(42) J18.80(20)
PC72: J16.163(43) J18.77(17)
PC73: J16.164(44) J18.78(18)
PC74: J16.165(45) J18.75(15)
PC75: J16.166(46) J18.76(16)
PC76: J16.171(51) J18.69(9)
PC77: J16.172(52) J18.70(10)
PC78: J16.185(5) J18.55
PC79: J16.186(6) J18.56
PC80: J16.187(7) J18.53
PC81: J16.188(8) J18.54
PC82: J16.189(9) J18.51
PC83: J16.190(10) J18.52
PC84: J16.197(17) J18.43
PC85: J16.198(18) J18.44
PC86: J16.199(19) J18.41
PC87: J16.200(20) J18.42
PC88: J16.201(21) J18.39
PC89: J16.202(22) J18.40
PC90: J16.209(29) J18.31
PC91: J16.210(30) J18.32
PC92: J16.211(31) J18.29
PC93: J16.212(32) J18.30
PC94: J16.213(33) J18.27
PC95: J16.214(34) J18.28
PC96: J16.221(41) J18.19
PC97: J16.222(42) J18.20
PC98: J16.223(43) J18.17
PC99: J16.224(44) J18.18
PC100: J16.225(45) J18.15
PC101: J16.226(46) J18.16
PC102: J16.231(51) J18.9
PC103: J16.232(52) J18.10
Q0_VDD: C1.1 C2.1 C17.1 C18.1 C19.1 C20.1 C21.1 C22.1 C23.1 C24.1 C33.1 C34.1 C35.1 C36.1 C37.1 C38.1 C39.1 C40.1 C49.1 C50.1 C51.1 C52.1 C53.1 C54.1 C55.1 C56.1 C65.1 C66.1 C67.1 C68.1 C69.1 C70.1 C71.1 C72.1 J1.161(41) J1.162(42) J1.221(41) J1.222(42) J6.19 J6.20 J6.79(19) J6.80(20) U1.H6(VDD#H6) U1.H8(VDD#H8) U1.H10(VDD#H10) U1.H12(VDD#H12) U1.J7(VDD#J7) U1.J9(VDD#J9) U1.J11(VDD#J11) U1.J13(VDD#J13) U1.K6(VDD#K6) U1.K8(VDD#K8) U1.K10(VDD#K10) U1.K12(VDD#K12) U1.L7(VDD#L7) U1.L9(VDD#L9) U1.L11(VDD#L11) U1.L13(VDD#L13) U1.M6(VDD#M6) U1.M8(VDD#M8) U1.M10(VDD#M10) U1.M12(VDD#M12) U1.N7(VDD#N7) U1.N9(VDD#N9) U1.N11(VDD#N11) U1.N13(VDD#N13) U2.H6(VDD#H6) U2.H8(VDD#H8) U2.H10(VDD#H10) U2.H12(VDD#H12) U2.J7(VDD#J7) U2.J9(VDD#J9) U2.J11(VDD#J11) U2.J13(VDD#J13) U2.K6(VDD#K6) U2.K8(VDD#K8) U2.K10(VDD#K10) U2.K12(VDD#K12) U2.L7(VDD#L7) U2.L9(VDD#L9) U2.L11(VDD#L11) U2.L13(VDD#L13) U2.M6(VDD#M6) U2.M8(VDD#M8) U2.M10(VDD#M10) U2.M12(VDD#M12) U2.N7(VDD#N7) U2.N9(VDD#N9) U2.N11(VDD#N11) U2.N13(VDD#N13) U3.H6(VDD#H6) U3.H8(VDD#H8) U3.H10(VDD#H10) U3.H12(VDD#H12) U3.J7(VDD#J7) U3.J9(VDD#J9) U3.J11(VDD#J11) U3.J13(VDD#J13) U3.K6(VDD#K6) U3.K8(VDD#K8) U3.K10(VDD#K10) U3.K12(VDD#K12) U3.L7(VDD#L7) U3.L9(VDD#L9) U3.L11(VDD#L11) U3.L13(VDD#L13) U3.M6(VDD#M6) U3.M8(VDD#M8) U3.M10(VDD#M10) U3.M12(VDD#M12) U3.N7(VDD#N7) U3.N9(VDD#N9) U3.N11(VDD#N11) U3.N13(VDD#N13) U4.H6(VDD#H6) U4.H8(VDD#H8) U4.H10(VDD#H10) U4.H12(VDD#H12) U4.J7(VDD#J7) U4.J9(VDD#J9) U4.J11(VDD#J11) U4.J13(VDD#J13) U4.K6(VDD#K6) U4.K8(VDD#K8) U4.K10(VDD#K10) U4.K12(VDD#K12) U4.L7(VDD#L7) U4.L9(VDD#L9) U4.L11(VDD#L11) U4.L13(VDD#L13) U4.M6(VDD#M6) U4.M8(VDD#M8) U4.M10(VDD#M10) U4.M12(VDD#M12) U4.N7(VDD#N7) U4.N9(VDD#N9) U4.N11(VDD#N11) U4.N13(VDD#N13)
Q0_VDDIO: C9.1 C10.1 C25.1 C26.1 C27.1 C28.1 C29.1 C30.1 C31.1 C32.1 C41.1 C42.1 C43.1 C44.1 C45.1 C46.1 C47.1 C48.1 C57.1 C58.1 C59.1 C60.1 C61.1 C62.1 C63.1 C64.1 C73.1 C74.1 C75.1 C76.1 C77.1 C78.1 C79.1 C80.1 J1.141(21) J1.142(22) J1.201(21) J1.202(22) J6.39 J6.40 J6.99(39) J6.100(40) R50.2 R51.2 R52.2 R53.2 R107.2 R108.2 R109.2 R110.2 R164.2 R165.2 R166.2 R167.2 R221.2 R222.2 R223.2 R224.2 R914.1 R916.1 R918.1 R920.1 R946.1 R947.2 R950.1 R951.2 R954.1 R955.2 R958.1 R959.2 R1017.2 R1018.2 R1033.2 R1034.2 U1.G5(DVDD#G5) U1.G7(DVDD#G7) U1.G9(DVDD#G9) U1.G11(DVDD#G11) U1.G13(DVDD#G13) U1.H14(DVDD#H14) U1.J5(DVDD#J5) U1.K14(DVDD#K14) U1.L5(DVDD#L5) U1.M14(DVDD#M14) U1.N5(DVDD#N5) U1.P6(DVDD#P6) U1.P8(DVDD#P8) U1.P10(DVDD#P10) U1.P12(DVDD#P12) U1.P14(DVDD#P14) U2.G5(DVDD#G5) U2.G7(DVDD#G7) U2.G9(DVDD#G9) U2.G11(DVDD#G11) U2.G13(DVDD#G13) U2.H14(DVDD#H14) U2.J5(DVDD#J5) U2.K14(DVDD#K14) U2.L5(DVDD#L5) U2.M14(DVDD#M14) U2.N5(DVDD#N5) U2.P6(DVDD#P6) U2.P8(DVDD#P8) U2.P10(DVDD#P10) U2.P12(DVDD#P12) U2.P14(DVDD#P14) U3.G5(DVDD#G5) U3.G7(DVDD#G7) U3.G9(DVDD#G9) U3.G11(DVDD#G11) U3.G13(DVDD#G13) U3.H14(DVDD#H14) U3.J5(DVDD#J5) U3.K14(DVDD#K14) U3.L5(DVDD#L5) U3.M14(DVDD#M14) U3.N5(DVDD#N5) U3.P6(DVDD#P6) U3.P8(DVDD#P8) U3.P10(DVDD#P10) U3.P12(DVDD#P12) U3.P14(DVDD#P14) U4.G5(DVDD#G5) U4.G7(DVDD#G7) U4.G9(DVDD#G9) U4.G11(DVDD#G11) U4.G13(DVDD#G13) U4.H14(DVDD#H14) U4.J5(DVDD#J5) U4.K14(DVDD#K14) U4.L5(DVDD#L5) U4.M14(DVDD#M14) U4.N5(DVDD#N5) U4.P6(DVDD#P6) U4.P8(DVDD#P8) U4.P10(DVDD#P10) U4.P12(DVDD#P12) U4.P14(DVDD#P14)
